# Allegro board DPU-C1-1.brd
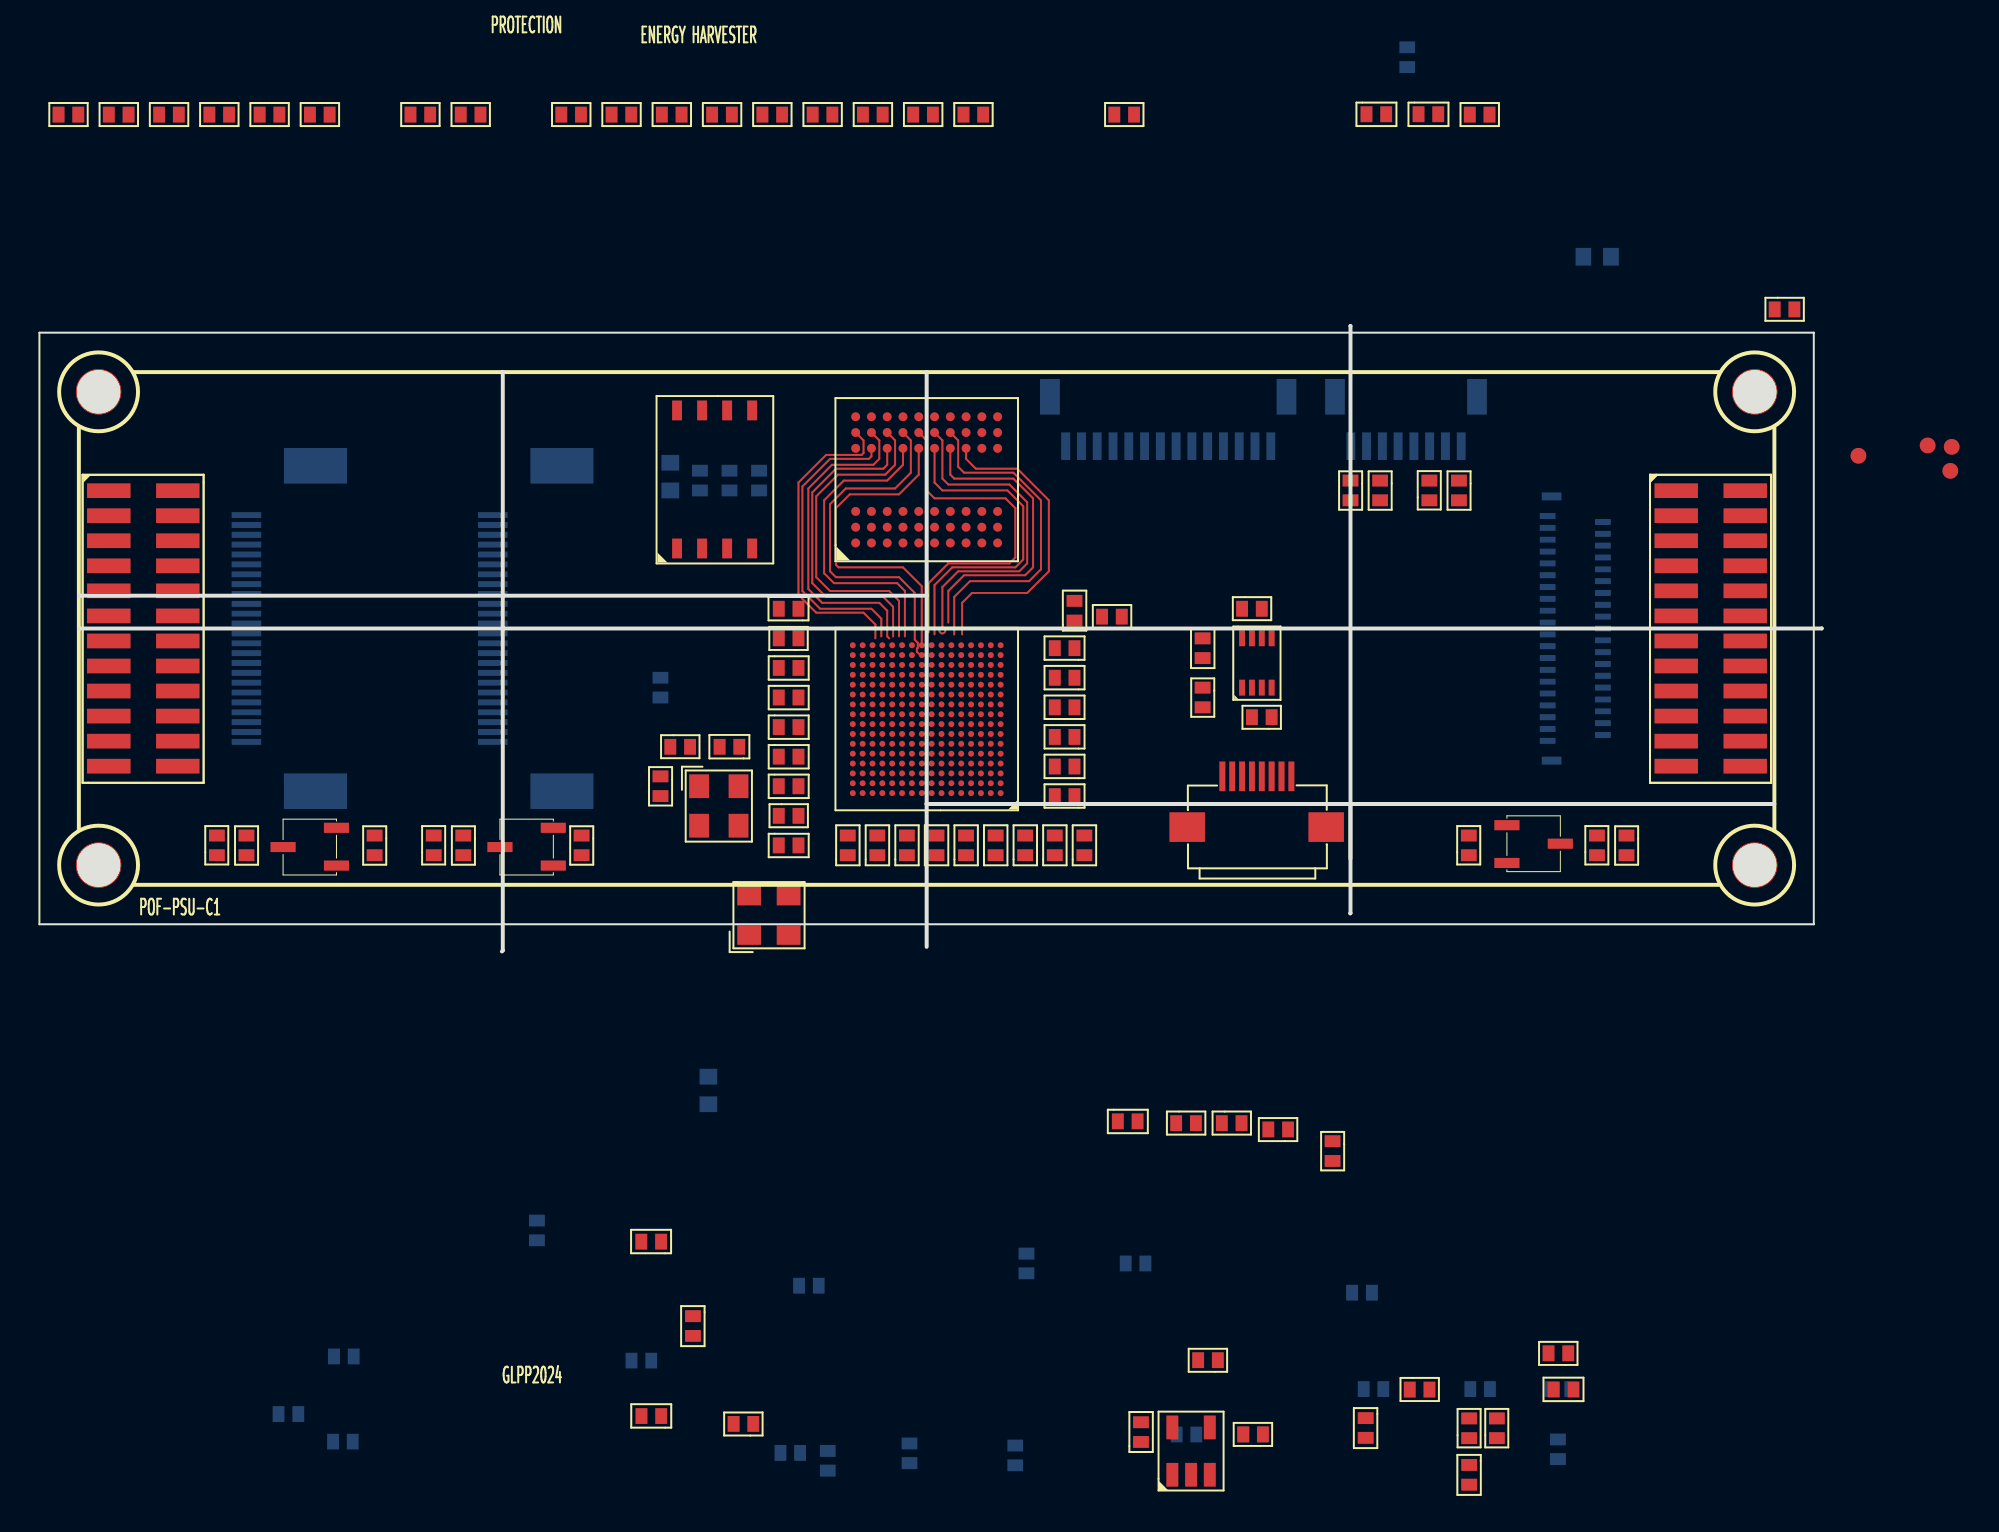
[diagram p0: board, top side]
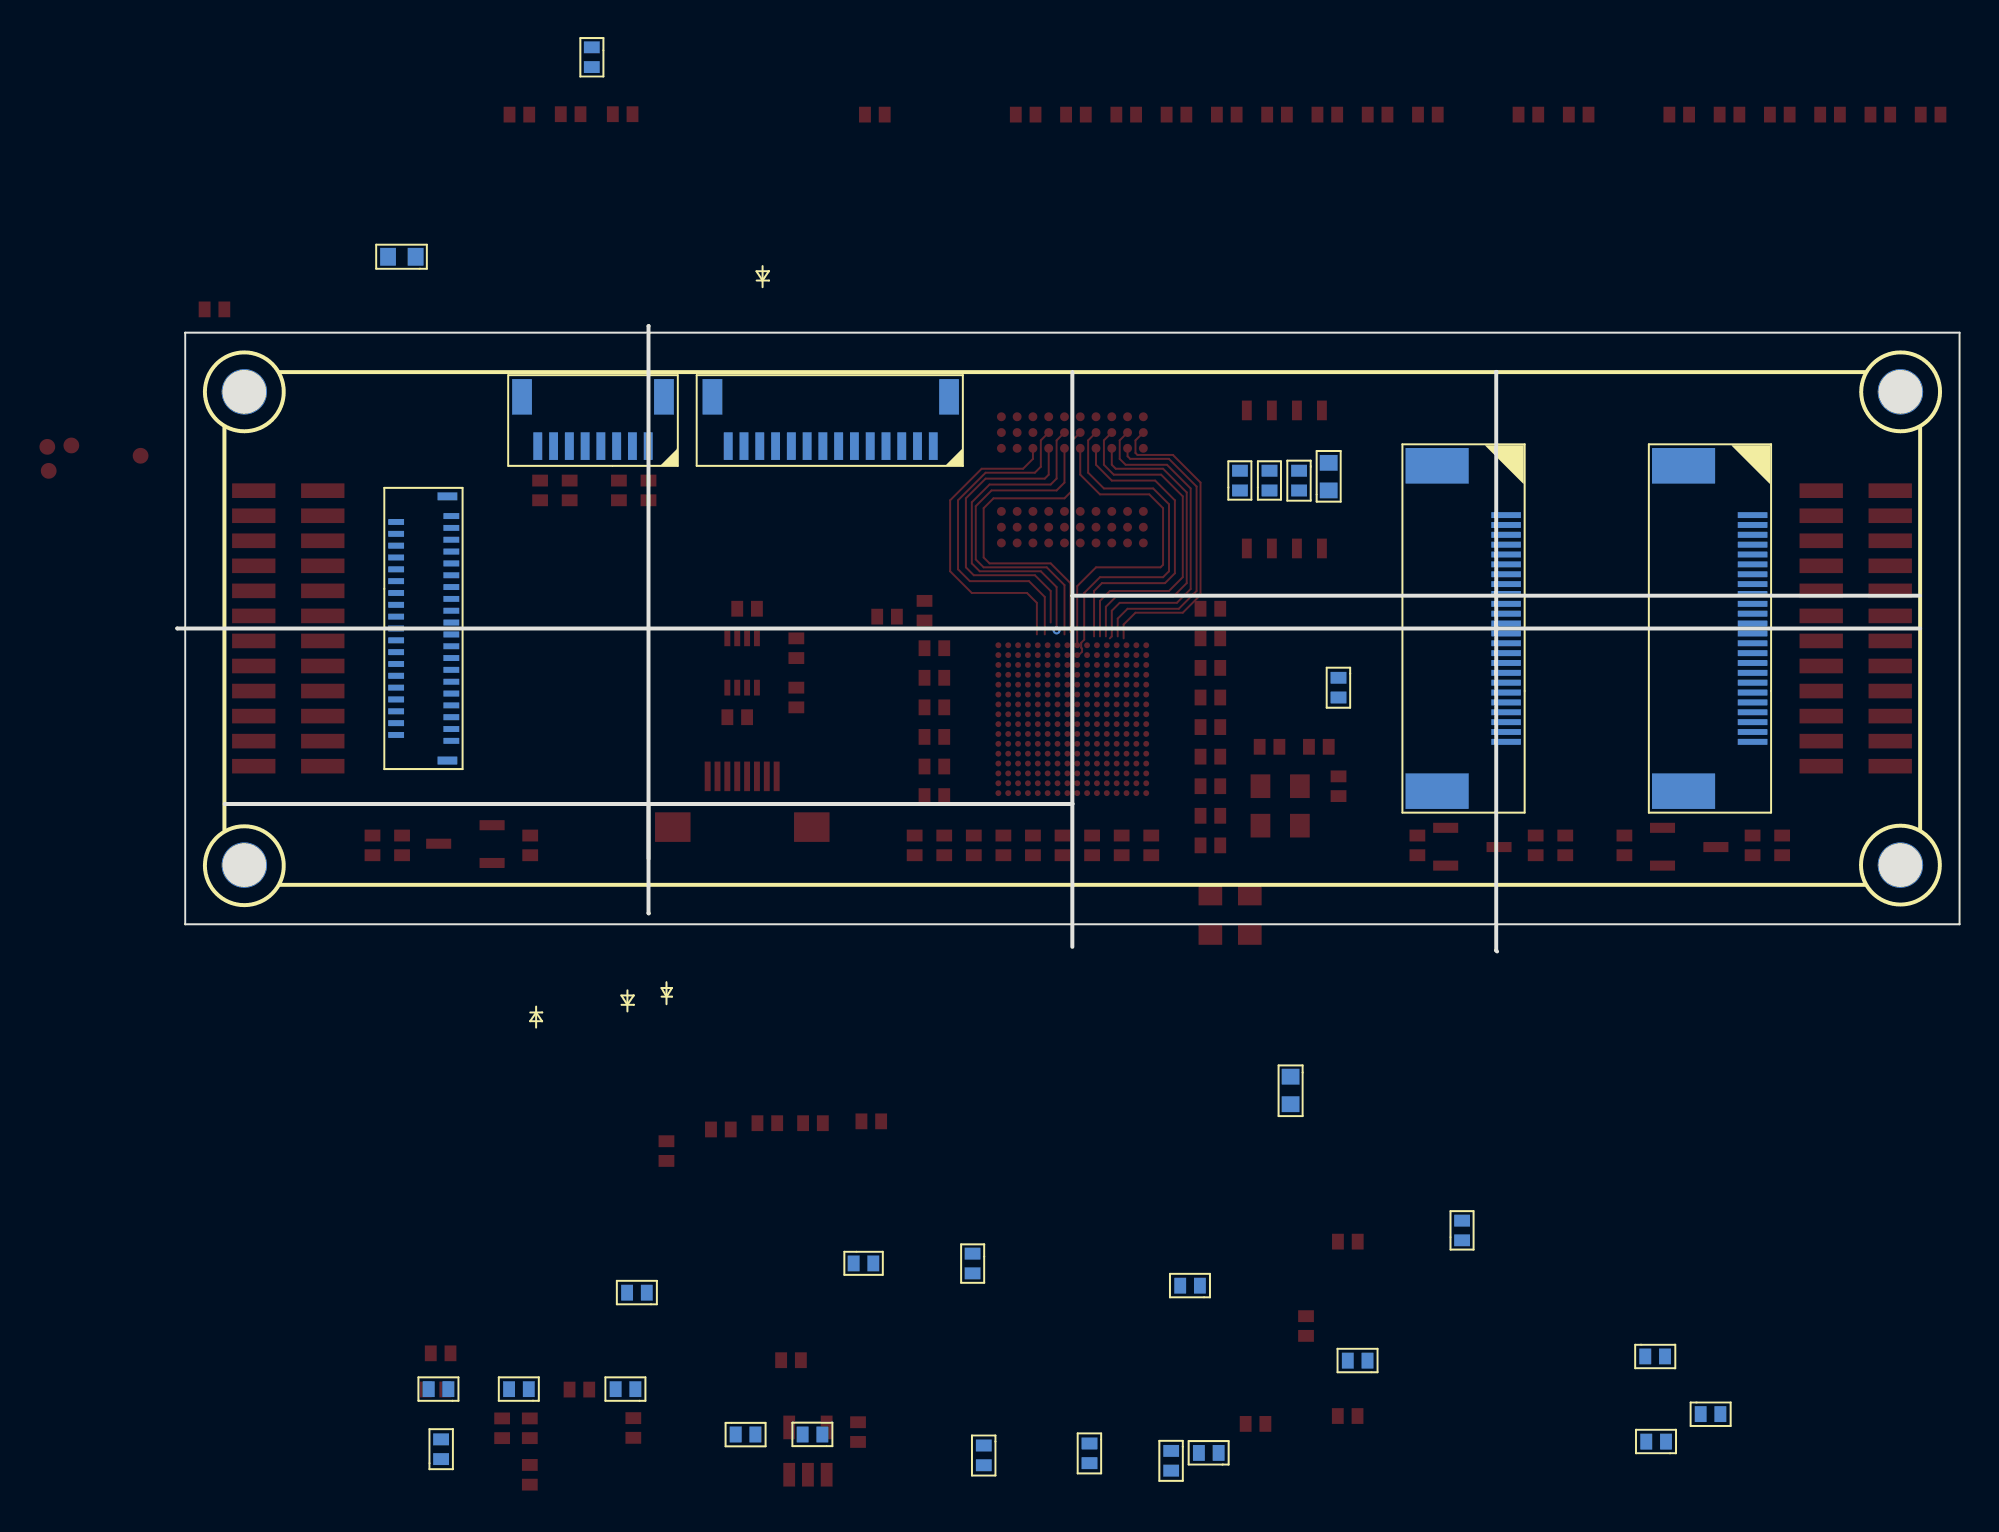
[diagram p1: board, bottom side, seen from below]

Outline 90.4 x 31.72 mm; copper layers: TOP, GND, VCC, BOTTOM. Coordinates in mm from the lower left corner of the outline.
Outline path: 2,16.38 90.4,16.38 90.4,16.38 ; 2,18.04 45,18.04 45,18.04 ; 23.5,29.39 23.5,29.39 23.5,0.05 23.46,0 ; 44.99,7.48 45,7.48 88,7.48 ; 45,29.38 45,0.23 ; 66.5,31.72 66.5,31.71 66.5,4.71 ; 66.5,7.48 66.5,1.94 66.48,1.93 ; 0,31.38 90,31.38 90,1.38 0,1.38 0,31.38

## Design rules (mm)
constraint set DEFAULT: min track width 0.1
net group IO_LED_1: nets IO_LED_1 N987528
net group IO_LED_2: nets IO_LED_2 N987589
net group IO_LED_3: nets IO_LED_3 N1034317
net group MCLK: nets MCLK N900708
net group P2833: nets N762812 P2833
net group SYS_CLK: nets N990230 SYS_CLK
net group UV_PWR_EN: nets N1368839 UV_PWR_EN
net group DVP_MCLK: nets DVP_MCLK MIPI_MCLK N763219

## Placement (name value [footprint] x y rotation side)
C10  0.1uF  [C0402_SMT]  77.81 -22.21 180 top
C11  0.1uF  [C0402_SMT]  67.27 -23.66 270 top
C12  0.1uF  [C0402_SMT]  55.87 -24.87 90 top
C13  0.1uF  [C0402_SMT]  72.52 -26.04 270 top
C14  0.1uF  [C0402_SMT]  54.7 -8.62 0 top
C22  10uF  [C0603_SMT]  78.31 35.23 0 bottom
C23  10uF  [C0603_SMT]  33.93 -6.35 270 bottom
C24  0.1uF  [C0402_SMT]  52.5 7.88 180 top
C25  4.7uF  [C0402_SMT]  37.5 14.38 0 top
C26  0.1uF  [C0402_SMT]  37.5 12.88 0 top
C27  4.7uF  [C0402_SMT]  37.5 11.38 0 top
C28  0.1uF  [C0402_SMT]  37.5 8.38 0 top
C29  4.7uF  [C0402_SMT]  37.5 9.88 0 top
C32  0.1uF  [C0402_SMT]  41 4.88 90 top
C33  4.7uF  [C0402_SMT]  42.5 4.88 90 top
C36  0.1uF  [C0402_SMT]  44 4.88 90 top
C37  4.7uF  [C0402_SMT]  45.5 4.88 90 top
C38  0.1uF  [C0402_SMT]  52.5 15.38 180 top
C39  4.7uF  [C0402_SMT]  52.5 13.88 180 top
C40  0.1uF  [C0402_SMT]  47 4.88 90 top
C41  4.7uF  [C0402_SMT]  48.5 4.88 90 top
C42  0.1uF  [C0402_SMT]  31.5 13.88 270 bottom
C43  0.1uF  [C0402_SMT]  38.53 -16.95 0 bottom
C44  0.1uF  [C0402_SMT]  66.58 -17.3 0 bottom
C45  0.1uF  [C0402_SMT]  51.5 4.88 90 top
C46  0.1uF  [C0402_SMT]  37.5 5.38 0 top
C47  0.1uF  [C0402_SMT]  53 4.88 90 top
C49  0.1uF  [C0402_SMT]  15.94 -20.54 180 bottom
C50  0.1uF  [C0402_SMT]  30.03 -20.75 0 bottom
C51  0.1uF  [C0402_SMT]  52.5 16.78 90 top
C52  0.1uF  [C0402_SMT]  50 4.88 90 top
C53  0.1uF  [C0402_SMT]  67.17 -22.2 0 bottom
C54  0.1uF  [C0402_SMT]  52.5 12.38 180 top
C55  0.1uF  [C0402_SMT]  13.13 -23.46 180 bottom
C56  0.1uF  [C0402_SMT]  62.08 -24.5 180 bottom
C57  0.1uF  [C0402_SMT]  14.89 -24.86 0 bottom
C58  0.1uF  [C0402_SMT]  77.02 -25.74 90 bottom
C59  0.1uF  [C0402_SMT]  37.58 -25.43 0 bottom
C60  0.1uF  [C0402_SMT]  44.13 -24.95 270 bottom
C61  0.1uF  [C0402_SMT]  49.49 -25.06 270 bottom
C62  0.1uF  [C0402_SMT]  39.99 -25.33 270 bottom
C63  0.1uF  [C0402_SMT]  38.5 17.38 180 top
C64  0.1uF  [C0402_SMT]  52.5 10.88 180 top
C65  4.7uF  [C0402_SMT]  52.5 9.38 180 top
C66  0.1uF  [C0402_SMT]  35.5 10.38 180 top
C67  0.1uF  [C0402_SMT]  72.57 -22.2 0 bottom
C68  0.1uF  [C0402_SMT]  57.68 -24.5 0 bottom
C69  0.1uF  [C0402_SMT]  59 14.88 90 top
C70  0.1uF  [C0402_SMT]  76.65 -22.2 0 bottom
C71  0.1uF  [C0402_SMT]  33.15 -18.49 270 top
C72  0.1uF  [C0402_SMT]  31.53 -14.72 180 top
C73  0.1uF  [C0402_SMT]  31.54 -23.56 180 top
C74  0.1uF  [C0402_SMT]  67.31 42.46 0 top
C75  0.1uF  [C0402_SMT]  69.95 42.46 0 top
C76  0.1uF  [C0402_SMT]  33.5 24.38 270 bottom
C77  10uF  [C0603_SMT]  32 23.38 90 bottom
D11  LED  [LED0402_SMT]  9 4.88 90 top
D12  LED  [LED0402_SMT]  20 4.88 90 top
D13  LED  [LED0402_SMT]  80.5 5.88 270 top
FB9  BLM18PG121SN1D  [L0402_SMT]  38.5 15.88 180 top
FB10  BLM18PG121SN1D  [L0402_SMT]  88.01 32.56 0 top
FB11  BLM18PG121SN1D  [L0402_SMT]  0.97 42.44 0 top
FB12  BLM18PG121SN1D  [L0402_SMT]  3.52 42.44 0 top
FB13  BLM18PG121SN1D  [L0402_SMT]  6.07 42.44 0 top
FB14  BLM18PG121SN1D  [L0402_SMT]  8.62 42.44 0 top
FB15  BLM18PG121SN1D  [L0402_SMT]  11.17 42.44 0 top
FB16  BLM18PG121SN1D  [L0402_SMT]  13.72 42.44 0 top
FB17  BLM18PG121SN1D  [L0402_SMT]  53.9 16.98 0 top
FB18  BLM18PG121SN1D  [L0402_SMT]  18.82 42.44 0 top
FB19  BLM18PG121SN1D  [L0402_SMT]  21.37 42.44 0 top
FB20  BLM18PG121SN1D  [L0402_SMT]  72.55 42.44 0 top
FB21  BLM18PG121SN1D  [L0402_SMT]  26.47 42.44 0 top
FB22  BLM18PG121SN1D  [L0402_SMT]  29.02 42.44 0 top
FB23  BLM18PG121SN1D  [L0402_SMT]  31.57 42.44 0 top
FB24  BLM18PG121SN1D  [L0402_SMT]  34.12 42.44 0 top
FB25  BLM18PG121SN1D  [L0402_SMT]  36.67 42.44 0 top
FB26  BLM18PG121SN1D  [L0402_SMT]  39.22 42.44 0 top
FB27  BLM18PG121SN1D  [L0402_SMT]  41.77 42.44 0 top
FB28  BLM18PG121SN1D  [L0402_SMT]  44.32 42.44 0 top
FB29  BLM18PG121SN1D  [L0402_SMT]  46.87 42.44 0 top
FB32  BLM18PG121SN1D  [L0402_SMT]  54.52 42.44 0 top
FB33  BLM18PG121SN1D  [L0402_SMT]  66.5 23.88 270 top
FB34  BLM18PG121SN1D  [L0402_SMT]  68 23.88 270 top
J1  CONN-1X8  [FPC-0D5-8P]  63.5 8.88 180 top
J2  CONN-24P  [SMD_CONN_2X12P_1D27]  86.52 23.37 270 top
J3  Hirose FH35C-39S-0.3SHW  [FH35C-39S-0D3SHW]  76.5 16.38 90 bottom
J4  FPC-05F-24PH20  [FPC-0D5-24P]  10.5 22.13 270 bottom
J8  FPC-05F-24PH20  [FPC-0D5-24P]  23 22.13 270 bottom
J9  CONN-24P  [SMD_CONN_2X12P_1D27]  7.02 23.37 270 top
J10  CONN-1X14P-0.8MM  [CONN-1X14P-0D8]  52.05 25.62 0 bottom
J11  CONN-1X8P-0.8MM  [CONN-1X8P-0D8]  66.52 25.62 0 bottom
NOREF  -  [unnamed]  3 4.38 0 top
NOREF#2  -  [#2]  0 31.38 0 top
NOREF#3  -  [unnamed]  87 28.38 0 top
NOREF#4  -  [#2]  0 1.38 90 top
NOREF#5  -  [unnamed]  3 28.38 0 top
NOREF#6  -  [unnamed]  87 4.38 0 top
Q2  MMBT2222ALT1G  [SOT-23-3]  15.5 3.88 90 top
Q3  MMBT2222ALT1G  [SOT-23-3]  26.5 3.88 90 top
Q4  MMBT2222ALT1G  [SOT-23-3]  74 6.88 270 top
R11  10K  [R0402_SMT]  57.66 -8.71 0 top
R12  10K  [R0402_SMT]  59.97 -8.71 0 top
R13  0R  [R0402_SMT]  63.33 -9.03 180 top
R14  DNP  [R0402_SMT]  65.59 -9.62 270 top
R17  DNP  [R0402_SMT]  77.54 -20.38 180 top
R18  0R  [R0402_SMT]  59.77 -20.73 180 top
R19  4.7K  [R0402_SMT]  35 23.38 90 bottom
R21  4.7K  [R0402_SMT]  69.5 -22.22 0 top
R22  33  [R0402_SMT]  36.5 23.38 90 bottom
R23  2.2K  [R0402_SMT]  36.21 -23.96 180 top
R24  4.7K  [R0402_SMT]  72.52 -24.68 90 top
R25  4.7K  [R0402_SMT]  73.92 -24.68 90 top
R26  33  [R0402_SMT]  62.06 -24.49 180 top
R52  20K  [R0402_SMT]  10.5 5.88 270 top
R53  20K  [R0402_SMT]  21.5 5.88 270 top
R54  1K  [R0402_SMT]  17 5.88 270 top
R55  1K  [R0402_SMT]  27.5 5.88 270 top
R56  0R  [R0402_SMT]  32 10.38 0 top
R57  DNP  [R0402_SMT]  31.5 8.88 270 top
R58  33  [R0402_SMT]  37.5 6.88 0 top
R59  100  [R0402_SMT]  25.23 -14.65 90 bottom
R60  10K  [R0402_SMT]  59 13.38 270 top
R61  10K  [R0402_SMT]  62.5 11.88 180 top
R62  10K  [R0402_SMT]  61 17.38 0 top
R64  1K  [R0402_SMT]  72.5 4.88 90 top
R65  20K  [R0402_SMT]  79 4.88 90 top
R66  10K  [R0402_SMT]  69.38 45.85 270 bottom
R67  10K  [R0402_SMT]  56.1 -15.82 180 bottom
R68  33  [R0402_SMT]  50.06 -15.32 270 bottom
R69  DNP  [R0402_SMT]  70.5 22.88 90 top
R70  DNP  [R0402_SMT]  72 23.88 270 top
TP9  T POINT R  [TP_SMD_CIR_0D8_NP]  95.78 25.66 0 top
TP10  T POINT R  [TP_SMD_CIR_0D8_NP]  96.99 25.59 0 top
TP11  T POINT R  [TP_SMD_CIR_0D8_NP]  96.92 24.37 0 top
TP12  T POINT R  [TP_SMD_CIR_0D8_NP]  92.26 25.14 0 top
U3  GD25Q128ESIGR  [SOP-8-208MIL]  32.34 27.44 0 top
U4  TLV75515PDBVR  [SOT-23-5]  57.46 -26.54 90 top
U6  MT46H64M16LF  [VFBGA-60]  45 23.91 90 top
U7  LIFCL-40-BG256  [CSFBGA-256]  45.01 11.78 180 top
U8  CAT25512HU5I-GT3  [UDFN-8-2X3]  61 15.88 0 top
Y1  24.0MHz  [SMD2520-4P]  37 1.88 0 top
Y2  25.0MHz  [SMD2520-4P]  34.5 7.38 270 top

## Library data of the parts
C10-C14 C24-C29 C32 C33 C36-C47 C49-C76 = CAP NP: signal model: DEFAULT_CAPACITOR_1e+07pF_2_1
C22 C23 C77 = CAP NP: signal model: DEFAULT_CAPACITOR_2.2e+07pF_2_1
D11-D13 = LED
FB9-FB29 FB32-FB34 = INDUCTOR
J1 = CONN-1X8
J2 J9 = CONN-24P
J3 = HiroseFPC_0
J4 = OV5640-FPC-24P-DVP
J8 = OV5640-FPC-24P-MIPI
J10 = CONN-1X14P
J11 = CONN-1X8P
Q2-Q4 = MMBT2222AL
R11-R14 R17-R19 R21-R26 R54-R58 R60-R62 R64 R66-R70 = R: signal model: DEFAULT_RESISTOR_10000OHM_2_1
R52 R53 R59 R65 = R
TP9-TP12 = T POINT R
U3 = GD25Q128ESIGR
U4 = TLV75515PDBVR
U6 = MT48H32M16LFB4-6 ITC
U7 = LIFCL-40-BG256
U8 = CAT25512HU5I-GT3
Y1 Y2 = OSCILLATOR

## Footprints (pads in the part's own frame, mm; a bottom-side part is the same pattern mirrored in y, then rotated)
C0402_SMT
  rect 0.6x0.8 smd: 1(0,0) 2(1,0)
C0603_SMT
  rect 0.8x0.9 smd: 1(0,0) 2(1.4,0)
CONN-1X8P-0D8
  rect 0.45x1.4 smd: 1(0,0) 2(0.8,0) 3(1.6,0) 4(2.4,0) 5(3.2,0) 6(4,0) 7(4.8,0) 8(5.6,0)
  rect 1x1.8 smd: 9(-0.8,-2.5) 10(6.4,-2.5)
CONN-1X14P-0D8
  rect 0.45x1.4 smd: 1(0,0) 2(0.8,0) 3(1.6,0) 4(2.4,0) 5(3.2,0) 6(4,0) 7(4.8,0) 8(5.6,0) 9(6.4,0) 10(7.2,0) 11(8,0) 12(8.8,0) 13(9.6,0) 14(10.4,0)
  rect 1x1.8 smd: 15(11.2,-2.5) 16(-0.8,-2.5)
CSFBGA-256
  round 0.3 smd: A1(-3.75,3.75) A2(-3.25,3.75) A3(-2.75,3.75) A4(-2.25,3.75) A5(-1.75,3.75) A6(-1.25,3.75) A7(-0.75,3.75) A8(-0.25,3.75) A9(0.25,3.75) A10(0.75,3.75) A11(1.25,3.75) A12(1.75,3.75) A13(2.25,3.75) A14(2.75,3.75) A15(3.25,3.75) A16(3.75,3.75) B1(-3.75,3.25) B2(-3.25,3.25) B3(-2.75,3.25) B4(-2.25,3.25) B5(-1.75,3.25) B6(-1.25,3.25) B7(-0.75,3.25) B8(-0.25,3.25) B9(0.25,3.25) B10(0.75,3.25) B11(1.25,3.25) B12(1.75,3.25) B13(2.25,3.25) B14(2.75,3.25) B15(3.25,3.25) B16(3.75,3.25) C1(-3.75,2.75) C2(-3.25,2.75) C3(-2.75,2.75) C4(-2.25,2.75) C5(-1.75,2.75) C6(-1.25,2.75) C7(-0.75,2.75) C8(-0.25,2.75) C9(0.25,2.75) C10(0.75,2.75) C11(1.25,2.75) C12(1.75,2.75) C13(2.25,2.75) C14(2.75,2.75) C15(3.25,2.75) C16(3.75,2.75) D1(-3.75,2.25) D2(-3.25,2.25) D3(-2.75,2.25) D4(-2.25,2.25) D5(-1.75,2.25) D6(-1.25,2.25) D7(-0.75,2.25) D8(-0.25,2.25) D9(0.25,2.25) D10(0.75,2.25) D11(1.25,2.25) D12(1.75,2.25) D13(2.25,2.25) D14(2.75,2.25) D15(3.25,2.25) D16(3.75,2.25) E1(-3.75,1.75) E2(-3.25,1.75) E3(-2.75,1.75) E4(-2.25,1.75) E5(-1.75,1.75) E6(-1.25,1.75) E7(-0.75,1.75) E8(-0.25,1.75) E9(0.25,1.75) E10(0.75,1.75) E11(1.25,1.75) E12(1.75,1.75) E13(2.25,1.75) E14(2.75,1.75) E15(3.25,1.75) E16(3.75,1.75) F1(-3.75,1.25) F2(-3.25,1.25) F3(-2.75,1.25) F4(-2.25,1.25) F5(-1.75,1.25) F6(-1.25,1.25) F7(-0.75,1.25) F8(-0.25,1.25) F9(0.25,1.25) F10(0.75,1.25) F11(1.25,1.25) F12(1.75,1.25) F13(2.25,1.25) F14(2.75,1.25) F15(3.25,1.25) F16(3.75,1.25) G1(-3.75,0.75) G2(-3.25,0.75) G3(-2.75,0.75) G4(-2.25,0.75) G5(-1.75,0.75) G6(-1.25,0.75) G7(-0.75,0.75) G8(-0.25,0.75) G9(0.25,0.75) G10(0.75,0.75) G11(1.25,0.75) G12(1.75,0.75) G13(2.25,0.75) G14(2.75,0.75) G15(3.25,0.75) G16(3.75,0.75) H1(-3.75,0.25) H2(-3.25,0.25) H3(-2.75,0.25) H4(-2.25,0.25) H5(-1.75,0.25) H6(-1.25,0.25) H7(-0.75,0.25) H8(-0.25,0.25) H9(0.25,0.25) H10(0.75,0.25) H11(1.25,0.25) H12(1.75,0.25) H13(2.25,0.25) H14(2.75,0.25) H15(3.25,0.25) H16(3.75,0.25) J1(-3.75,-0.25) J2(-3.25,-0.25) J3(-2.75,-0.25) J4(-2.25,-0.25) J5(-1.75,-0.25) J6(-1.25,-0.25) J7(-0.75,-0.25) J8(-0.25,-0.25) J9(0.25,-0.25) J10(0.75,-0.25) J11(1.25,-0.25) J12(1.75,-0.25) J13(2.25,-0.25) J14(2.75,-0.25) J15(3.25,-0.25) J16(3.75,-0.25) K1(-3.75,-0.75) K2(-3.25,-0.75) K3(-2.75,-0.75) K4(-2.25,-0.75) K5(-1.75,-0.75) K6(-1.25,-0.75) K7(-0.75,-0.75) K8(-0.25,-0.75) K9(0.25,-0.75) K10(0.75,-0.75) K11(1.25,-0.75) K12(1.75,-0.75) K13(2.25,-0.75) K14(2.75,-0.75) K15(3.25,-0.75) K16(3.75,-0.75) L1(-3.75,-1.25) L2(-3.25,-1.25) L3(-2.75,-1.25) L4(-2.25,-1.25) L5(-1.75,-1.25) L6(-1.25,-1.25) L7(-0.75,-1.25) L8(-0.25,-1.25) L9(0.25,-1.25) L10(0.75,-1.25) L11(1.25,-1.25) L12(1.75,-1.25) L13(2.25,-1.25) L14(2.75,-1.25) L15(3.25,-1.25) L16(3.75,-1.25) M1(-3.75,-1.75) M2(-3.25,-1.75) M3(-2.75,-1.75) M4(-2.25,-1.75) M5(-1.75,-1.75) M6(-1.25,-1.75) M7(-0.75,-1.75) M8(-0.25,-1.75) M9(0.25,-1.75) M10(0.75,-1.75) M11(1.25,-1.75) M12(1.75,-1.75) M13(2.25,-1.75) M14(2.75,-1.75) M15(3.25,-1.75) M16(3.75,-1.75) N1(-3.75,-2.25) N2(-3.25,-2.25) N3(-2.75,-2.25) N4(-2.25,-2.25) N5(-1.75,-2.25) N6(-1.25,-2.25) N7(-0.75,-2.25) N8(-0.25,-2.25) N9(0.25,-2.25) N10(0.75,-2.25) N11(1.25,-2.25) N12(1.75,-2.25) N13(2.25,-2.25) N14(2.75,-2.25) N15(3.25,-2.25) N16(3.75,-2.25) P1(-3.75,-2.75) P2(-3.25,-2.75) P3(-2.75,-2.75) P4(-2.25,-2.75) P5(-1.75,-2.75) P6(-1.25,-2.75) P7(-0.75,-2.75) P8(-0.25,-2.75) P9(0.25,-2.75) P10(0.75,-2.75) P11(1.25,-2.75) P12(1.75,-2.75) P13(2.25,-2.75) P14(2.75,-2.75) P15(3.25,-2.75) P16(3.75,-2.75) R1(-3.75,-3.25) R2(-3.25,-3.25) R3(-2.75,-3.25) R4(-2.25,-3.25) R5(-1.75,-3.25) R6(-1.25,-3.25) R7(-0.75,-3.25) R8(-0.25,-3.25) R9(0.25,-3.25) R10(0.75,-3.25) R11(1.25,-3.25) R12(1.75,-3.25) R13(2.25,-3.25) R14(2.75,-3.25) R15(3.25,-3.25) R16(3.75,-3.25) T1(-3.75,-3.75) T2(-3.25,-3.75) T3(-2.75,-3.75) T4(-2.25,-3.75) T5(-1.75,-3.75) T6(-1.25,-3.75) T7(-0.75,-3.75) T8(-0.25,-3.75) T9(0.25,-3.75) T10(0.75,-3.75) T11(1.25,-3.75) T12(1.75,-3.75) T13(2.25,-3.75) T14(2.75,-3.75) T15(3.25,-3.75) T16(3.75,-3.75)